# Altium PCB PCB1_Bak.PcbDoc (part 4 of 5)
Units mil, origin at the board's own origin, x right, y up, seen from the top; angles counter-clockwise.
Board outline 9847.03 x 4571.03 mil, 8 copper layers (HIGH_SPEED_TOP, GND PLANE1, LOW_SPEED, +1V8_3V3_5V, +12V, SIGNAL, GND_PLANE3, HIGH_SPEED_BOT), stack 62.99 mil thick; 506 components, 434 nets, 2446 pads, 333 vias.
Unrouted connection lines stored in the file: 910.
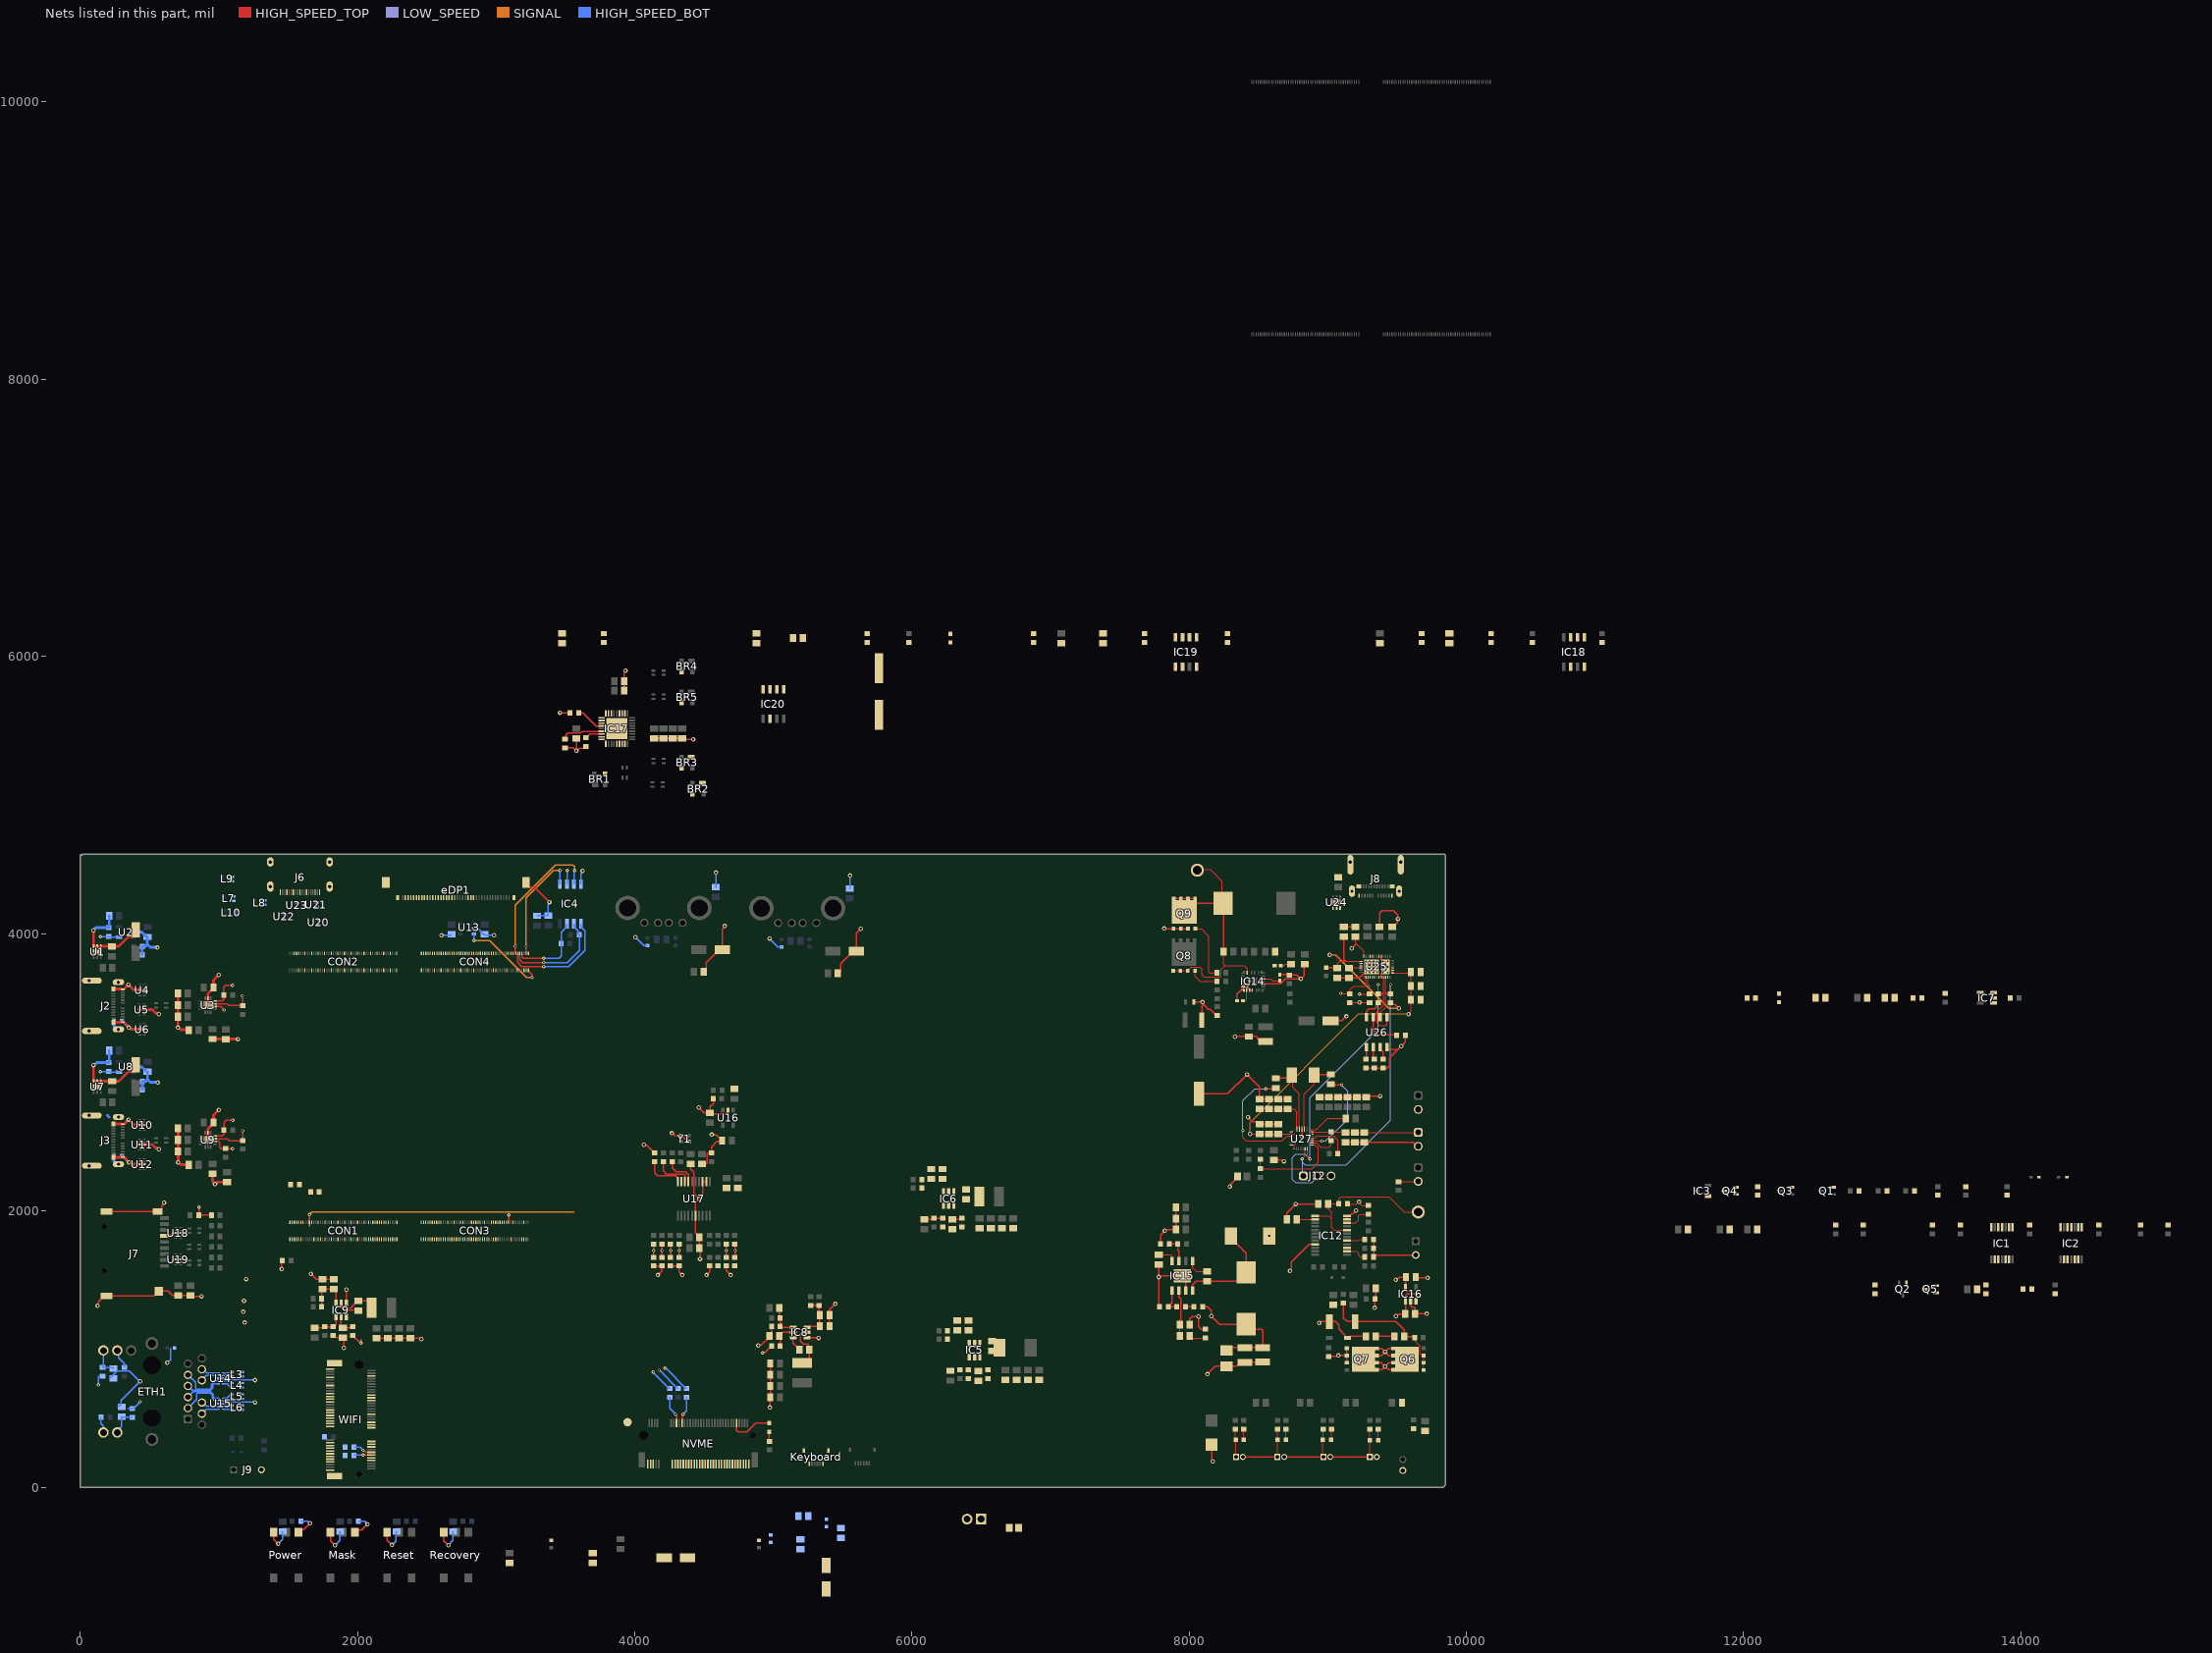
[diagram p10: the nets of this part, all layers, seen from the top]

## Via types
v1: diameter 32, hole 16, HIGH_SPEED_TOP to HIGH_SPEED_BOT, 172 vias
v2: diameter 24, hole 12, HIGH_SPEED_TOP to HIGH_SPEED_BOT, 136 vias
v3: diameter 23.62, hole 11.81, HIGH_SPEED_TOP to HIGH_SPEED_BOT, 24 vias
v4: diameter 40, hole 20, HIGH_SPEED_TOP to HIGH_SPEED_BOT, 1 vias

## Nets (pads, with @x,y where several pads share a name; then routed paths per layer and width w, separated by ;. In a path a pad name is that pad's centre, name@x,y a point inside that pad or via, vN(x,y) a via of type N, cw(c..) or ccw(c..) an arc to the next point about the centre after c; other vN are vias at no path point) (continued)
GND: 66.1 BR1.3 BR2.3 BR3.3 BR4.3 BR5.3 BT4.2 C1.2 C2.1 C3.1 C4.1 C5.1 C6.1 C7.1 C8.1 C9.1 C10.1 C11.2 C12.1 C13.1 C14.1 C15.1 C16.1 C17.1 C18.1 C19.1 C20.1 C21.1 C22.1 C23.1 C24.1 C26.1 C27.1 C28.1 C29.1 C30.1 C31.1 C32.1 C33.1 C34.1 C35.1 C36.1 C37.1 C38.1 C39.1 C40.1 C41.2 C42.2 C43.2 C44.2 C45.1 C46.2 C47.1 C48.1 C49.1 C52.1 C53.1 C54.1 C55.1 C56.1 C57.1 C58.1 C61.1 C62.1 C63.1 C64.1 C65.1 C67.1 C68.1 C69.1 C70.1 C73.1 C74.1 C75.1 C76.1 C77.1 C78.1 C79.1 C82.1 C83.1 C84.1 C85.1 C86.1 C87.1 C88.1 C89.1 C90.1 C91.1 C92.1 C93.1 C94.1 C95.1 C96.1 C97.1 C98.1 C99.1 C100.1 C101.1 C102.1 C103.1 C106.1 C107.1 C108.1 C109.1 C110.1 C111.1 C112.1 C113.1 C114.1 C116.2 C117.2 C122.1 C124.1 C127.2 C128.1 C129.2 C131.1 C132.1 C133.2 C134.2 C135.1 C136.1 C140.1 C141.1 C143.1 C144.1 C145.1 C146.2 C147.2 C148.2 C149.1 C151.1 C152.1 C153.1 C154.2 C155.2 C156.2 C157.2 C158.2 C159.2 C160.2 C161.1 C162.2 C163.2 C164.2 C165.2 C166.2 C167.1 C168.2 C169.2 C171.2 C172.2 C173.2 C175.2 C176.2 C177.2 C179.2 C180.2 C181.2 C183.2 C185.2 C186.2 CON1.11 CON1.12 CON1.13 CON1.24 CON1.33 CON1.34 CON1.39 CON1.40 CON1.45 CON1.46 CON1.51 CON1.52 CON1.57 CON1.58 CON1.63 CON1.64 CON1.69 CON1.70 CON1.73 CON1.76 CON1.77 CON1.82 CON1.88 CON1.91 CON1.94 CON1.100 CON2.9 CON2.10 CON2.15 CON2.16 CON2.21 CON2.22 CON2.27 CON2.28 CON2.33 CON2.34 CON2.39 CON2.40 CON2.45 CON2.46 CON2.51 CON2.52 CON2.57 CON2.58 CON2.63 CON2.64 CON2.69 CON2.70 CON2.75 CON2.76 CON2.81 CON2.82 CON2.87 CON2.88 CON2.93 CON2.94 CON2.99 CON2.100 CON3.1 CON3.2 CON3.7 CON3.8 CON3.13 CON3.14 CON3.19 CON3.20 CON3.25 CON3.26 CON3.31 CON3.32 CON3.37 CON3.38 CON3.44 CON3.49 CON3.50 CON3.56 CON3.59 CON3.62 CON3.71 CON3.84 CON3.85 CON3.94 CON4.1 CON4.2 CON4.7 CON4.8 CON4.13 CON4.14 CON4.19 CON4.20 CON4.25 CON4.26 CON4.31 CON4.32 CON4.37 CON4.38 CON4.43 CON4.44 CON4.49 CON4.50 CON4.55 CON4.61 CON4.62 CON4.68 CON4.80 CON4.83 CON4.96 D5.2 D6.2 D7.2 eDP1.14 eDP1.15 eDP1.21 eDP1.22 eDP1.23 eDP1.24 eDP1.27 eDP1.30 eDP1.33 eDP1.36 eDP1.39 eDP1.S1 eDP1.S2 eDP1.S3 eDP1.S4 FB2.1 FB4.1 FB6.1 FB8.1 FB9.1 FB10.1 FB11.1 IC1.7 IC2.7 IC3.1 IC4.4 IC5.1 IC6.1 IC7.2 IC8.1 IC9.1 IC12.9 IC12.23 IC12.24 IC14.5 IC14.6 IC14.7 IC14.9 IC14.10 IC14.15 IC14.24 IC14.28 IC15.7 IC15.9 IC16.2 IC17.11 IC17.37 IC18.3 IC19.6 IC20.6 J2.A1 J2.A12 J2.B1 J2.B12 J3.A1 J3.A12 J3.B1 J3.B12 J6.1 J6.4 J6.7 J6.10 J6.13 J6.20 J7.6 J7.G1 J7.G2 J7.G3 J7.G4 J8.A1 J8.A12 J8.B1 J8.B12 J8.SH1 J8.SH2 J8.SH3 J8.SH4 J9.3 J12.3 J17.1 JP1.2 JP2.2 L24.1 L25.1 L25.2 LED2.1 LED8.1 Mask.2 NVME.1 NVME.3 NVME.9 NVME.15 NVME.21 NVME.27 NVME.33 NVME.39 NVME.45 NVME.51 NVME.57 NVME.71 NVME.73 NVME.75 Power.2 Q4.2 Q5.2 Q7.1 Q7.2 Q7.3 Q9.1 Q9.2 Q9.3 R1.1 R2.1 R3.1 R8.1 R9.1 R10.1 R23.1 R24.1 R30.2 R31.2 R36.1 R37.2 R38.2 R39.2 R40.2 R53.1 R74.1 R83.1 R88.1 R91.1 R97.1 R102.1 R104.1 R105.1 R106.1 R108.1 R121.2 R127.1 R128.1 R135.1 R138.2 R139.1 R141.2 R142.2 R147.1 R149.1 R150.1 R151.1 R152.1 R155.1 R157.1 R158.1 R159.2 R163.2 R164.1 R166.2 R168.2 R169.2 R170.2 R171.2 Recovery.2 Reset.2 RT1.2 RTC_BAT.1 U1.1 U1.2 U1.3 U1.7 U2.2 U3.9 U3.15 U4.3 U4.8 U5.3 U5.8 U6.3 U6.8 U7.1 U7.2 U7.3 U7.7 U8.2 U9.9 U9.15 U10.3 U10.8 U11.3 U11.8 U12.3 U12.8 U13.2 U14.3 U14.8 U15.3 U15.8 U16.2 U17.2 U17.3 U17.9 U17.16 U18.3 U18.8 U19.3 U19.8 U20.3 U20.8 U21.3 U21.8 U22.3 U22.8 U23.3 U23.8 U24.1 U24.2 U24.3 U24.7 U25.10 U25.11 U25.12 U25.14 U25.18 U25.31 U25.39 U26.4 U27.27 WIFI.1 WIFI.7 WIFI.18 WIFI.33 WIFI.39 WIFI.45 WIFI.51 WIFI.57 WIFI.63 WIFI.69 WIFI.75 WIFI.S1 WIFI.S2 Y1.2 Y1.4 | length 24448.3
  HIGH_SPEED_TOP w10: v1(125,1315) 129.21,1319.21 129.21,1343.98 170.11,1384.88 J7.G4@189.8,1384.88 532.32,1384.88 565.78,1418.35 J7.G2@565.78,1420.31 632.69,1420.31 664.87,1388.13 C35.1@706,1388.13 C36.1@794,1388.13 799.13,1383 v1(875,1383) ; J7.G3@189.8,1995.12 J7.G1@555.94,1995.12 567.75,1995.12 586.37,2013.74 586.37,2034.42 604,2052.05 v1(604,2058) ; J7.6@607.12,1817.95 609.16,1820 646,1820 665.68,1839.68 U18.3@689.27,1839.68 U18.3@689.54,1839.68 ; U19.3@689.27,1649 U19.8@722.73,1649 ; Power.2@1395.99,-318.52 1395.99,-371.29 v1(1428.57,-403.87) ; v1(1453,1580) 1453,1635.5 R74.1@1456.5,1639 ; v1(1663.39,1545.28) 1701.58,1507.08 1743.6,1507.08 C77.1@1746.42,1504.26 ; C77.1@1747.63,1505.33 C78.1@1827.63,1505.33 ; Mask.2@1804.66,-318.52 1804.66,-380.96 v1(1837.57,-413.87) ; R102.1@1823.63,1099.83 1836.35,1087.12 1847.87,1087.12 1851.09,1083.9 C79.1@1894.63,1083.9 1901.63,1076.9 v1(1901.63,1009.9) ; IC9.1@1919.03,1333.54 1919.33,1333.84 1919.33,1430.6 v1(1919.63,1430.9) ; C82.1@2136.63,1080.03 C83.1@2218.3,1080.03 C84.1@2299.96,1080.03 2447.48,1080.03 2454.68,1072.83 v1(2460.63,1072.83) ; Reset.2@2213.33,-318.52 2213.33,-376.63 v1(2248.57,-411.87) ; Recovery.2@2621.99,-318.52 2621.99,-380.29 v1(2655.57,-413.87) ; eDP1.S2@3215.79,4369.02 3215.79,4359.18 3238.35,4336.62 3274.38,4336.62 v1(3384,4227) ; v1(3461,5594) R171.2@3542.71,5594 ; R170.2@3497,5340.5 3555.66,5340.5 3576.17,5320 v1(3579,5320) ; C158.2@3578,5407.57 3579,5406.57 v1(3579,5320) ; R169.2@3648,5350.5 3635.28,5337.79 3602.74,5337.79 3584.95,5320 v1(3579,5320) ; C156.2@3924.24,5754.05 3924.54,5754.35 C157.2@3924.54,5821.33 3924.54,5883.58 3933,5892.05 v1(3933,5898) ; v1(4066,2477) 4070.21,2472.79 4085.74,2472.79 4142.03,2416.5 R36.1@4144,2416.5 ; R37.2@4136.05,1601.5 R38.2@4197,1601.5 4197,1566 v1(4167,1536) ; C162.2@4140,5408.13 C163.2@4207.28,5408.13 C164.2@4274.57,5408.13 C165.2@4341.85,5408.13 4347.98,5402 v1(4422,5402) ; R39.2@4258,1601.5 R40.2@4319,1601.5 4319,1559.33 v1(4342.33,1536) ; v1(4269,2560) 4274.18,2560 4293.51,2540.67 Y1.2@4334.43,2540.67 4344.19,2530.91 4354.03,2530.91 4385.61,2499.33 Y1.4@4387.57,2499.33 ; C34.1@4403,2337.57 4403,2301 4426,2278 4426,2125 v1(4466,2085) ; v1(4463,2746) 4502.57,2706.43 C27.1@4543,2706.43 ; v1(4471,1652) 4471,1723.43 C32.1@4464.43,1730 C31.1@4464.43,1810 4464.43,1815.91 4438.8,1841.54 U17.16@4438.8,1964.5 4438.8,2057.8 v1(4466,2085) ; C33.1@4484,2337.57 4484.43,2338 4514.02,2338 ; C180.2@4498.43,3723 4516.07,3740.64 4516.07,3790.07 4608.74,3882.73 C181.2@4632.36,3882.73 4632.36,4031.41 4649,4048.05 v1(4649,4054) ; 4514.02,2337.02 4524,2347 4524,2409 4533,2418 4551.5,2418 R24.1@4553,2416.5 4553,2459 4594,2500 4625.57,2500 C28.1@4630.57,2505 4630.57,2510.91 4612.93,2528.54 4607.02,2528.54 4587,2548.57 4556.43,2548.57 v1(4556,2549) ; U17.2@4515.57,2209.5 U17.3@4489.98,2209.5 4489.98,2108.98 v1(4466,2085) ; v1(4517.67,1536) 4540,1558.33 R159.2@4540,1601.5 ; R23.1@4565.5,2808 4567,2806.5 4567,2775 4549,2757 4548.86,2757 4543,2751.14 C27.1@4543,2706.43 ; R31.2@4661,1602.01 4661,1568 v1(4693,1536) ; U16.2@4673,2726.25 4673,2718.5 4653,2698.5 4550.93,2698.5 C27.1@4543,2706.43 ; v1(4891.85,1027.2) 4896.06,1031.41 4912.97,1031.41 4970.85,1089.3 C70.1@4970.85,1095.2 4986.79,1111.14 R97.1@4986.79,1166.2 ; v1(4974.85,580.2) 4974.85,652.64 C76.1@4977.42,655.2 C75.1@4977.42,736.54 C74.1@4977.42,817.87 C73.1@4977.42,899.2 ; IC8.1@5241.5,1084.8 5242.79,1083.5 5324.55,1083.5 v1(5325.85,1082.2) ; C69.1@5405.79,1167.1 C68.1@5405.79,1247.1 5405.79,1286.14 v1(5446.85,1327.2) ; C176.2@5467.43,3712 5485.07,3729.64 5485.07,3782.07 5575.74,3872.73 C177.2@5599.36,3872.73 5599.36,4002.36 v1(5631,4034) ; C149.1@7780.5,1612.25 7780.45,1612.2 v1(7780.45,1521.68) ; R158.1@7786.95,1306.68 7780.45,1313.19 v1(7780.45,1521.68) ; R155.1@7792.95,1759.68 7792.95,1824.19 v1(7824.45,1855.68) 7830.4,1855.68 7838.4,1863.68 C145.1@7904.02,1863.68 C144.1@7904.02,1943.68 C143.1@7904.02,2024.68 ; v1(7819.45,4036.68) 7820.22,4035.91 7886.13,4035.91 Q9.1@7886.91,4035.14 Q9.2@7939.27,4035.14 Q9.3@7991.63,4035.14 ; IC15.7@7975.45,1424.91 7975.45,1506.68 IC15.9@7950.45,1531.68 7796.4,1531.68 7786.4,1521.68 v1(7780.45,1521.68) ; C151.1@8003.88,1176.68 8003.88,1219.66 8019.9,1235.68 v1(8066.45,1235.68) 8066.45,1165.69 8085.95,1146.18 R157.1@8118.45,1146.18 ; C136.1@8034.94,3506.68 8035.94,3505.68 v1@8091.45,3505.68 ; C134.2@8071.05,2842.94 8276.7,2842.94 v1(8417.45,2983.68) 8508.03,2893.11 C99.1@8508.03,2804.95 C100.1@8575.31,2804.95 C101.1@8642.6,2804.95 C102.1@8709.88,2804.95 ; C135.1@8090.96,3375.73 8090.96,3477.24 8100.45,3486.73 8100.45,3491.73 8091.45,3500.73 v1@8091.45,3505.68 ; v1@8091.45,3506.68 v1@8091.45,3505.68 ; v1(8095.45,3505.68) v1@8091.45,3505.68 ; 8103.43,3489.71 8139.43,3453.7 8153.97,3453.7 8198.48,3409.19 R147.1@8200.45,3409.19 ; v1(8130.45,820.68) 8187.45,877.68 8187.93,877.2 C146.2@8268.45,877.2 8344.04,877.2 8374,907.17 C147.2@8402.74,907.17 8530.29,907.17 C148.2@8530.45,907.32 ; D5.2@8161.45,312.07 8161.45,206.64 8169.45,198.64 v1(8169.45,192.68) ; v1(8292.45,2175.68) 8296.66,2179.89 8296.66,2190.44 8348.98,2242.76 L24.1@8348.98,2247.68 ; v1(8329.45,3255.68) 8332.02,3258.25 8488.05,3258.25 8493.91,3252.39 8493.91,3244.13 8513.71,3224.32 C132.1@8542.45,3224.32 ; R150.1@8344.53,3515.19 8344.53,3561.81 8378.82,3596.1 IC14.28@8380.63,3596.1 ; IC14.6@8385.04,3615.31 IC14.6@8391.77,3615.31 ; IC14.6@8386.28,3615.39 8386.28,3634.92 8386.36,3635 IC14.5@8387.52,3635 ; IC14.7@8394.88,3589.25 8392.99,3591.14 8392.99,3614.09 IC14.6@8391.77,3615.31 ; v1(8410.24,3622.48) 8435.24,3597.46 IC14.9@8435.24,3590.24 IC14.10@8454.92,3590.24 ; v1(8423.45,2673.68) 8454.55,2642.59 8490.39,2642.59 C95.1@8508.03,2624.95 C96.1@8575.31,2624.95 C97.1@8642.6,2624.95 ; IC14.24@8435.24,3654.68 8435.24,3634.02 8432.85,3631.63 8422.07,3631.63 8418.76,3628.32 8416.09,3628.32 v1(8410.24,3622.48) 8398.93,3622.48 IC14.6@8391.77,3615.31 ; IC14.15@8524.2,3636 8657.76,3636 8695.45,3673.68 v1(8805.45,3673.68) ; C103.1@8609.45,2365.25 8668.93,2365.25 8677.5,2356.68 v1(8683.45,2356.68) ; R151.1@8645.45,3704.34 8713.29,3704.34 8715.45,3702.18 8776.95,3702.18 v1(8805.45,3673.68) ; C117.2@8705.02,1937.68 8705.02,1984.25 v1(8769.45,2048.68) 8930.02,2048.68 C116.2@8931.02,2049.68 ; v1(8727.45,1566.68) 8736.45,1575.68 8736.45,1629.68 8865.47,1758.71 IC12.9@8907.78,1758.71 ; U27.27@8812.45,2588.61 8813.45,2587.61 8813.45,2532.69 v1(8814.45,2531.68) ; C140.1@8827.45,3781.25 8827.45,3695.68 v1(8805.45,3673.68) ; v1(8937.45,1189.68) 8943.4,1189.68 8953.4,1199.68 R138.2@9011.41,1199.68 9012.41,1200.68 9055.45,1200.68 9078.45,1177.68 9078.45,1147.65 9122.8,1103.29 9122.8,1093.45 9132.57,1083.68 D6.2@9142.41,1083.68 9152.25,1083.68 9162.25,1093.68 C127.2@9276.02,1093.68 ; C106.1@8939.45,2820.95 C107.1@9006.73,2820.95 C108.1@9074.02,2820.95 C109.1@9141.3,2820.95 C110.1@9208.59,2820.95 C111.1@9275.87,2820.95 9282.6,2827.68 v1(9377.45,2827.68) ; R141.2@9006.45,948.19 9063,948.19 9070.5,955.68 v1(9076.45,955.68) Q7.2@9136.45,955.68 ; C133.2@9019.06,3370.68 9102.45,3370.68 v1(9134.45,3402.68) ; C98.1@9068.59,3679.87 9153.13,3679.87 C89.1@9153.7,3679.29 9226.06,3679.29 9259.9,3713.14 9267.32,3713.14 v3(9274.33,3720.14) ; C88.1@9115.45,4048.12 C87.1@9199.45,4048.12 ; C112.1@9129.17,2492.9 C113.1@9196.45,2492.9 C114.1@9263.73,2492.9 9613.9,2492.9 9641.12,2465.69 JP2.2@9652.45,2465.69 ; Q7.3@9136.45,903.32 Q7.2@9136.45,955.68 ; Q7.1@9136.45,1008.05 Q7.2@9136.45,955.68 ; IC12.23@9139.12,1937.84 IC12.24@9139.12,1963.43 9159.3,1963.43 9175.63,1979.76 9181.53,1979.76 v1(9203.45,2001.68) ; R104.1@9273.71,3029.73 R105.1@9335.63,3029.73 R106.1@9397.45,3029.68 R106.1@9397.45,3029.68 9426.45,3029.68 9443.45,3046.68 9443.45,3101.68 9503.45,3161.68 ; R142.2@9329.94,1666.68 R142.2@9329.94,1667.97 ; R128.1@9329.94,1792.68 R127.1@9329.94,1729.68 R142.2@9329.94,1667.97 ; v1(9338.45,1298.68) 9338.45,1362.19 R135.1@9338.94,1362.68 9345.88,1369.62 C122.1@9345.88,1438.68 ; C90.1@9372.45,4048.12 9372.45,4148.68 9390.45,4166.68 9472.45,4166.68 9506.45,4132.69 v1(9506.45,4106.68) 9502.24,4102.48 9502.24,4081 9469.35,4048.12 C91.1@9463.45,4048.12 ; U26.4@9428.45,3181.91 9428.45,3169.48 9436.24,3161.68 9503.45,3161.68 ; R108.1@9558.95,3266.68 9558.95,3217.18 v1(9530.45,3188.68) 9503.45,3161.68 ; IC16.2@9597.65,1348.67 9597.65,1312.89 9606.65,1303.89 9622.65,1303.89 9629.91,1296.63 C153.1@9629.91,1256.18 9630.62,1256.89 v1(9713.65,1256.89) ; C152.1@9634.08,1520.89 9638.08,1516.89 v1(9719.65,1516.89) ; RT1.2@9634.45,1680.68 9342.66,1680.68 R142.2@9329.94,1667.97
  HIGH_SPEED_TOP w19.68: v1@95,4025 95.11,4024.89 95.11,3910.65 96.41,3909.35 U1.2@122,3909.35 ; v1(96,3051) 96.11,3050.89 96.11,2936.65 U7.3@97.41,2935.35 U7.2@123,2935.35 ; U1.7@122,3869 U1.2@122,3909.35 ; U7.7@123,2895 U7.2@123,2935.35 ; J2.B1@239,3360.13 296.05,3360.13 298.02,3362.1 313.84,3362.1 351,3324.95 351,3322 356.95,3322 368.95,3310 U6.8@461.68,3310 ; J2.B12@239,3600.29 296.05,3600.29 298.02,3598.32 313.84,3598.32 347,3631.48 347,3632 386,3593 U4.8@461.68,3593 ; J3.B1@240,2386.13 297.05,2386.13 299.02,2388.1 J3.A12@306.93,2388.1 314.84,2388.1 352,2350.94 v1(352,2348) 357.95,2348 369.95,2336 U12.3@429.22,2336 U12.8@462.69,2336 ; J3.B12@240,2626.29 297.05,2626.29 299.02,2624.32 J3.A1@306.93,2624.32 314.84,2624.32 348,2657.48 v1(348,2658) 387,2619 U10.3@429.22,2619 U10.8@462.69,2619 ; C11.2@399,4028.65 399,4005.02 372.5,3978.53 347.57,3978.53 277.48,3908.43 229,3908.43 228.08,3909.35 U1.2@122,3909.35 ; C186.2@400,3054.64 400,3031.02 373.5,3004.53 348.57,3004.53 278.48,2934.43 C185.2@230,2934.43 229.08,2935.35 U7.1@148.59,2935.35 U7.2@123,2935.35 ; U5.3@427.27,3451.5 518.5,3451.5 543,3427 552.05,3427 560.05,3419 v1@566,3419 ; U11.8@428.27,2477.5 U11.3@461.73,2477.5 519.5,2477.5 544,2453 553.05,2453 561.05,2445 v1(567,2445) ; C6.1@704.84,3569.49 704.84,3401.49 704.92,3401.41 704.92,3322.08 705,3322 708.33,3322 723.33,3307 778.66,3307 C5.1@780.84,3304.82 ; C14.1@705.84,2595.49 C15.1@705.84,2511.49 C16.1@705.84,2427.49 705.92,2427.41 705.92,2348.08 v1(706,2348) 709.33,2348 724.33,2333 779.66,2333 C20.1@781.84,2330.82 ; U3.15@919.96,3484.31 919.96,3564.83 960.71,3605.58 960.71,3663.71 v1@999,3702 ; U9.15@920.96,2510.31 U9.9@920.96,2561.49 920.96,2590.83 961.71,2631.58 C19.1@961.71,2637.49 961.71,2689.71 v1(1000,2728) ; C18.1@954.28,2266.05 954.28,2213.89 972,2196.16 v1(972,2193) 975.33,2193 988.9,2206.57 C17.1@1059,2206.57 ; C10.1@954.65,3238.68 C9.1@1048.9,3238.68 ; C9.1@1048.9,3239.15 v1@1137.9,3239.15
  HIGH_SPEED_BOT w10: 210,792.57 215.91,792.57 266.34,843 355,843 428,770 v1(432,770) 292.93,630.93 292.93,604.83 275.3,587.19 269.39,587.19 ; v1(628,903) 651.58,926.57 651.58,1011 ; U15.8@997.27,608.31 U15.3@1030.73,608.31 1067.31,608.31 1078,619 1259,619 v1(1260,618) ; U14.8@997.27,791 U14.3@1030.73,791 1070,791 1080,781 1261,781 v1@1264,778 ; v1(1428.57,-403.87) 1459.57,-372.87 C41.2@1459.57,-315.31 ; v1(1837.57,-413.87) 1873.57,-377.87 C43.2@1873.57,-315.31 ; v1(2248.57,-411.87) 2276.67,-383.78 2276.67,-321.21 C42.2@2282.57,-315.31 ; v1(2605,3989) 2672.43,3989 C22.1@2678,3994.57 ; v1(2655.57,-413.87) 2689.57,-379.87 C44.2@2689.57,-315.31 ; U13.2@2841.2,4036 2871.94,4036 2891.46,4016.49 2891.46,4012.2 2909.09,3994.57 C21.1@2915,3994.57 2921.57,3988 v1(2986,3988) ; C46.2@3294,4128 3295.43,4129.43 C45.1@3376,4129.43 3376,4213.05 3384,4221.05 v1(3384,4227) ; IC4.4@3611,4356.72 3611,4431.05 3624,4444.05 v1@3624,4450 ; v1(4005,3975) 4065.57,3914.43 FB8.1@4092,3914.43 ; C183.2@4584,4335.43 4586,4337.43 v1(4586,4440) ; v1(4972,3965) 5032.57,3904.43 FB6.1@5059,3904.43 ; C179.2@5551,4325.43 5552,4326.43 v1(5552,4419)
  HIGH_SPEED_BOT w19.68: v1@95,4025 112.5,4042.5 205,4042.5 208.57,4046.06 C2.1@208.57,4130 ; v1(96,3051) 101.95,3051 119.45,3068.5 R10.1@206,3068.5 209.57,3072.06 C12.1@209.57,3156 ; FB9.1@295.57,3370 295.57,3369.02 298.53,3366.06 306.94,3366.06 v1@351,3322 ; FB10.1@296.57,2396 296.57,2395.01 299.53,2392.06 307.94,2392.06 v1(352,2348) ; U2.2@381.18,4012 442.66,4012 478.09,3976.57 484,3976.57 484,3921 ; U8.2@382.18,3038 443.66,3038 479.1,3002.57 C13.1@485,3002.57 485,2947 ; R2.1@446.5,3848 446.5,3908 447.5,3907 470,3907 484,3921 ; R8.1@447.5,2874 R9.1@447.5,2934 448.5,2933 471,2933 485,2947 ; v1@557,3899 555,3901 504,3901 484,3921 ; v1(558,2925) 556,2927 505,2927 485,2947
  other v1: 1260,778 8577.24,1818.68 1137.9,3239.11 350.9,3321.54 704.9,3321.54 565.9,3418.54 346.9,3631.54 998.9,3701.54 556.9,3898.54 94.9,4024.54 3624,4452
  other v3: 9301.89,3720.14 9329.45,3720.14 9357.01,3720.14 9274.33,3746.91 9301.89,3746.91 9329.45,3746.91 9357.01,3746.91 9274.33,3773.68 9301.89,3773.68 9329.45,3773.68 9357.01,3773.68 9274.33,3800.46 9301.89,3800.46 9329.45,3800.46 9357.01,3800.46
GPIO0_A4/SDMMC_DET_L: CON4.70 R49.1 R50.1 | length 144
  HIGH_SPEED_TOP w10: R50.1@855.5,1968 R49.1@945.5,1968 ; R50.1@855.5,1973 858,1975.5 v2(858,2026)
GPIO0_B2: CON3.47 WIFI.21
GPIO0_C4/UART0_RX_M0: CON3.70 R41.1
GPIO0_C5/UART0_TX_M0/PWM4_M0: CON3.72 WIFI.20
GPIO0_D3/CC_INT_L: CON3.64 U3.5 | length 75.4
  HIGH_SPEED_TOP w10: U3.5@972.05,3473.56 1011.45,3473.56 v2(1036.9,3448.11)
GPIO0_D5: CON3.68 R13.1 U9.5 | length 166.7
  HIGH_SPEED_TOP w10: U9.5@972.14,2500.46 973.05,2499.56 997.44,2499.56 1007,2490 1007,2459 1017,2449 1047.5,2449 R13.1@1048,2448.5 1048.5,2448 v2(1099,2448)
GPIO1_A0/UART6_RX_M1: CON3.73 WIFI.22
GPIO1_A1/UART6_TX_M1: CON3.75 WIFI.32
GPIO1_A2/I2C4_SDA_M3_TP: CON3.77 WIFI.36
GPIO1_A3/I2C4_SCL_M3_TP: CON3.79 WIFI.34
GPIO1_A4: CON3.81 IC4.2 | length 152
  HIGH_SPEED_TOP w10: CON3.81@3090.51,1916.89 3090.76,1917.13 3090.76,1969.76 v2(3091,1970)
  HIGH_SPEED_BOT w10: IC4.2@3511,4356.72 3511.5,4357.22 3511.5,4454.5 v2@3512,4455
  other v2: 3514,4456
GPIO1_D2/TYPEC5V_PWREN_H: CON3.39 R1.2 U2.4 | length 136.5
  HIGH_SPEED_BOT w10: v2@145,3978 203.5,3978 205,3979.5 209.91,3974.6 U2.4@278.82,3974.6
  other v2: 144.9,3977.54
GPIO2_A6: CON1.79 WIFI.13
GPIO2_A7: CON1.81 WIFI.15
GPIO2_B0: CON1.83 WIFI.17
GPIO2_B1: CON1.85 WIFI.19
GPIO2_B2: CON1.87 WIFI.11
GPIO2_B3: CON1.89 WIFI.9
GPIO2_B7: CON1.99 WIFI.8
GPIO2_C0: CON1.21 WIFI.10
GPIO2_C3: CON1.27 R42.2
GPIO3_A0/SPI4_MISO_M1/PWM10_M0: CON4.87 IC4.3 | length 1030.7
  HIGH_SPEED_TOP w10: CON4.87@3138.37,3857.22 3138.68,3857.54 3138.68,3908.68 v2(3139,3909)
  SIGNAL w10: v2(3139,3909) 3139,4206 3429,4496 3553,4496 3566,4483 3566,4457 v2(3567,4456)
  HIGH_SPEED_BOT w10: IC4.3@3561,4356.72 3561,4446.21 3567,4452.21 v2(3567,4456)
GPIO3_A1/SPI4_MOSI_M1: CON4.89 IC4.5 | length 817.8
  HIGH_SPEED_TOP w10: CON4.89@3154.12,3857.22 3154.12,3791.88 3183,3763 v2(3344,3763)
  HIGH_SPEED_BOT w10: v2(3344,3763) 3525,3763 3642,3880 3642,4017 3641,4018 3641,4019.63 3611,4049.63 IC4.5@3611,4071.28
GPIO3_A2/SPI4_CLK_M1/UART8_TX_M1: CON4.91 IC4.6 R76.1 | length 731.2
  HIGH_SPEED_TOP w10: CON4.91@3169.87,3857.22 3169.87,3811.13 3190,3791 v2@3343,3791
  HIGH_SPEED_BOT w10: v2@3343,3791 3513,3791 3600.5,3878.5 R76.1@3600.5,3992 3591.04,4001.45 3591.04,4020.83 3570.03,4041.84 3568.8,4041.84 3561,4049.63 IC4.6@3561,4071.28
  other v2: 3343,3792
GPIO3_A3/SPI4_CS0_M1/UART8_RX_M1: CON4.93 IC4.7 R75.1 | length 572.4
  HIGH_SPEED_TOP w10: CON4.93@3185.61,3857.22 3185.61,3830.39 3194,3822 3343,3822 v2(3344,3821)
  HIGH_SPEED_BOT w10: v2(3344,3821) 3453,3821 3470.5,3838.5 R75.1@3470.5,3929 3470.5,4009.13 3511,4049.63 IC4.7@3511,4071.28
GPIO3_A5: CON4.97 IC4.1 | length 825.7
  HIGH_SPEED_TOP w10: v2(3217,3909) 3217.05,3908.95 3217.05,3857.28 CON4.97@3217.11,3857.22
  SIGNAL w10: v2(3217,3909) 3217,4259 3414,4456 v2(3461,4456)
  HIGH_SPEED_BOT w10: IC4.1@3461,4356.72 v2@3461,4455
GPIO3_A6/LCD_RST: CON4.99 WIFI.42
GPIO3_A7: CON4.100 U13.3 | length 644.5
  HIGH_SPEED_TOP w10: CON4.100@3232.86,3735.96 3232.86,3728.25 3257.32,3703.78 3257.32,3685.68 v2(3260,3683)
  SIGNAL w10: v2(2840,3949) 2953,3949 3218,3684 3259,3684 v2(3260,3683)
  HIGH_SPEED_BOT w10: v2(2840,3949) 2840,3997.4 U13.3@2841.2,3998.6
GPIO3_B4: CON4.90 R10.2 U8.4 | length 136.5
  HIGH_SPEED_BOT w10: v2(146,3004) 204.5,3004 R10.2@206,3005.5 210.91,3000.6 U8.4@279.82,3000.6
GPIO3_B7: CON4.98 eDP1.16
GPIO3_C7/I2C5_SCL_M0_TP: CON4.81 R107.1 U25.9 | length 199.4
  HIGH_SPEED_TOP w7.87: v2(9228.59,3564.3) 9301.08,3564.3 R107.1@9301.59,3563.8 9301.59,3623.3 9290.67,3634.22 U25.9@9290.67,3685.5
GPIO3_D0/I2C5_SDA_M0_TP: CON4.79 R103.1 U25.8 | length 282.3
  HIGH_SPEED_TOP w7.87: v2(9093.59,3568.3) 9154.08,3568.3 R103.1@9157.59,3564.8 ; R103.1@9157.59,3562.38 R103.1@9157.59,3564.8 ; U25.8@9274.92,3685.5 9274.92,3633.63 9262.59,3621.3 9185.59,3621.3 9157.59,3593.3 R103.1@9157.59,3564.8
GPIO3_D5/PWM11_M3/LCD_2_BL: CON4.85 WIFI.54 WIFI.70
GPIO4_A0/TP_2_INT_L: CON3.51 WIFI.53
GPIO4_A1/TP_2_RST_L: CON3.53 WIFI.55
GPIO4_A2: CON3.55 WIFI.52
GPIO4_B4/PCIE30X4_CLKREQn_M1_L: CON3.65 R20.2 | length 186